# KiCad board Omega-D.kicad_pcb
title: Omega_D; note: Made by Sappling
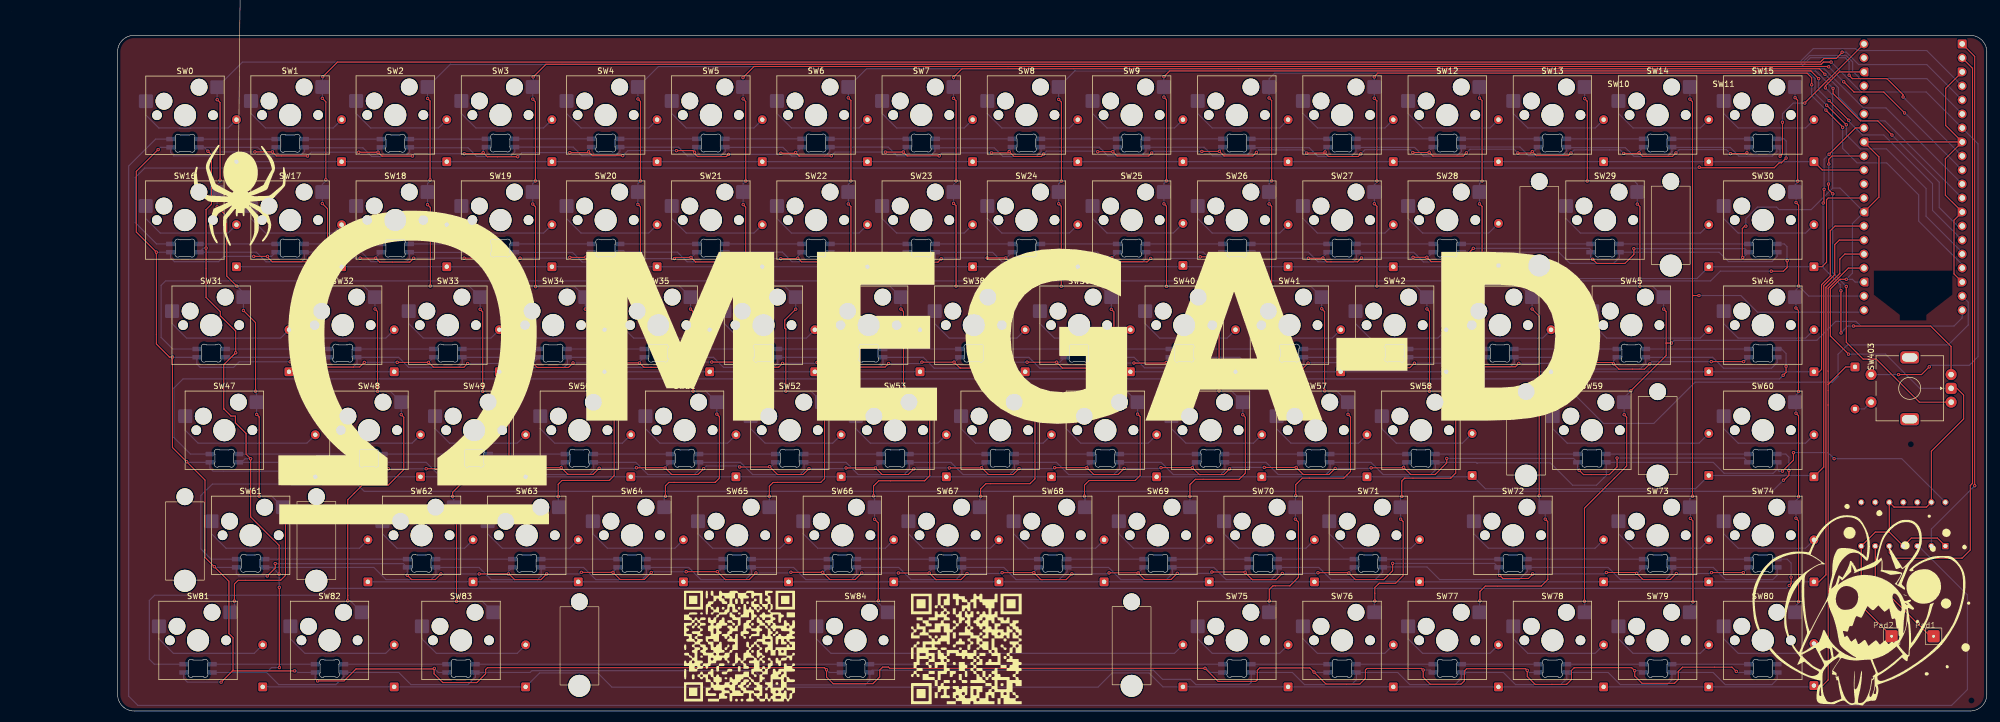
[diagram p0: board, top side]
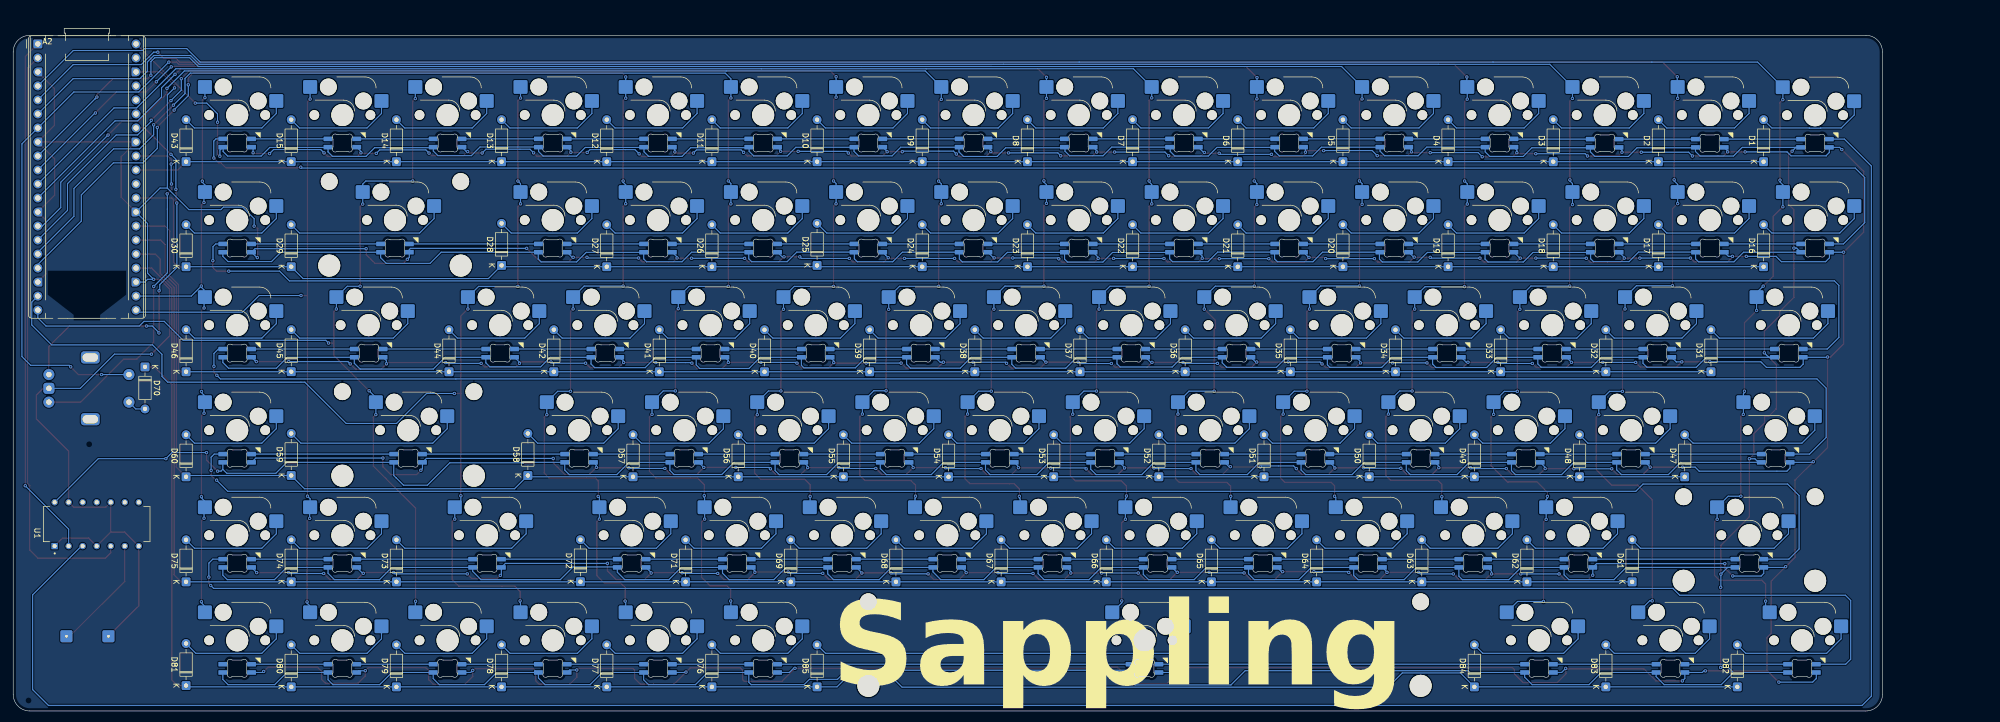
[diagram p1: board, bottom side, seen from below]

Outline 358.18 x 126.91 mm; copper layers: Top, Bottom. Coordinates in mm from the lower left corner of the outline.
Outline path: circle c0.01,126.9 r0.01 ; circle c344.03,48.36 r0.01 ; circle c355.01,1.9 r0.01 ; circle c358.17,122.5 r0.01 ; 19.29,119.5 19.29,3 arc(20.17,0.88) 22.29,0 354.79,0 arc(356.91,0.88) 357.79,3 357.79,119.5 arc(356.91,121.62) 354.79,122.5 22.29,122.5 arc(20.17,121.62) 19.29,119.5
Stack: Top 0.035mm / dielectric 1.51mm FR4 er 4.5 / Bottom 0.035mm

## Placement (name value [footprint] x y rotation side)
A2  RaspberryPi_Pico  [RaspberryPi_Pico_Common_THT]  353.33 120.95 180 bottom
D1  1N4148  [D_DO-35_SOD27_P7.62mm_Horizontal]  40.81 99.59 90 bottom
D2  1N4148  [D_DO-35_SOD27_P7.62mm_Horizontal]  59.86 99.59 90 bottom
D3  1N4148  [D_DO-35_SOD27_P7.62mm_Horizontal]  78.9 99.59 90 bottom
D4  1N4148  [D_DO-35_SOD27_P7.62mm_Horizontal]  97.95 99.59 90 bottom
D5  1N4148  [D_DO-35_SOD27_P7.62mm_Horizontal]  116.99 99.59 90 bottom
D6  1N4148  [D_DO-35_SOD27_P7.62mm_Horizontal]  136.04 99.59 90 bottom
D7  1N4148  [D_DO-35_SOD27_P7.62mm_Horizontal]  155.08 99.59 90 bottom
D8  1N4148  [D_DO-35_SOD27_P7.62mm_Horizontal]  174.13 99.59 90 bottom
D9  1N4148  [D_DO-35_SOD27_P7.62mm_Horizontal]  193.17 99.59 90 bottom
D10  1N4148  [D_DO-35_SOD27_P7.62mm_Horizontal]  212.22 99.59 90 bottom
D11  1N4148  [D_DO-35_SOD27_P7.62mm_Horizontal]  231.26 99.59 90 bottom
D12  1N4148  [D_DO-35_SOD27_P7.62mm_Horizontal]  250.31 99.59 90 bottom
D13  1N4148  [D_DO-35_SOD27_P7.62mm_Horizontal]  269.35 99.59 90 bottom
D14  1N4148  [D_DO-35_SOD27_P7.62mm_Horizontal]  288.4 99.59 90 bottom
D15  1N4148  [D_DO-35_SOD27_P7.62mm_Horizontal]  307.44 99.59 90 bottom
D16  1N4148  [D_DO-35_SOD27_P7.62mm_Horizontal]  40.81 80.55 90 bottom
D17  1N4148  [D_DO-35_SOD27_P7.62mm_Horizontal]  59.86 80.55 90 bottom
D18  1N4148  [D_DO-35_SOD27_P7.62mm_Horizontal]  78.9 80.55 90 bottom
D19  1N4148  [D_DO-35_SOD27_P7.62mm_Horizontal]  97.95 80.55 90 bottom
D20  1N4148  [D_DO-35_SOD27_P7.62mm_Horizontal]  116.99 80.55 90 bottom
D21  1N4148  [D_DO-35_SOD27_P7.62mm_Horizontal]  136.04 80.55 90 bottom
D22  1N4148  [D_DO-35_SOD27_P7.62mm_Horizontal]  155.08 80.55 90 bottom
D23  1N4148  [D_DO-35_SOD27_P7.62mm_Horizontal]  174.13 80.55 90 bottom
D24  1N4148  [D_DO-35_SOD27_P7.62mm_Horizontal]  193.17 80.55 90 bottom
D25  1N4148  [D_DO-35_SOD27_P7.62mm_Horizontal]  212.22 80.79 90 bottom
D26  1N4148  [D_DO-35_SOD27_P7.62mm_Horizontal]  231.26 80.55 90 bottom
D27  1N4148  [D_DO-35_SOD27_P7.62mm_Horizontal]  250.31 80.55 90 bottom
D28  1N4148  [D_DO-35_SOD27_P7.62mm_Horizontal]  269.35 80.79 90 bottom
D29  1N4148  [D_DO-35_SOD27_P7.62mm_Horizontal]  307.44 80.55 90 bottom
D30  1N4148  [D_DO-35_SOD27_P7.62mm_Horizontal]  326.49 80.55 90 bottom
D31  1N4148  [D_DO-35_SOD27_P7.62mm_Horizontal]  50.34 61.5 90 bottom
D32  1N4148  [D_DO-35_SOD27_P7.62mm_Horizontal]  69.38 61.5 90 bottom
D33  1N4148  [D_DO-35_SOD27_P7.62mm_Horizontal]  88.43 61.5 90 bottom
D34  1N4148  [D_DO-35_SOD27_P7.62mm_Horizontal]  107.47 61.5 90 bottom
D35  1N4148  [D_DO-35_SOD27_P7.62mm_Horizontal]  126.52 61.5 90 bottom
D36  1N4148  [D_DO-35_SOD27_P7.62mm_Horizontal]  145.56 61.5 90 bottom
D37  1N4148  [D_DO-35_SOD27_P7.62mm_Horizontal]  164.61 61.5 90 bottom
D38  1N4148  [D_DO-35_SOD27_P7.62mm_Horizontal]  183.65 61.5 90 bottom
D39  1N4148  [D_DO-35_SOD27_P7.62mm_Horizontal]  202.7 61.5 90 bottom
D40  1N4148  [D_DO-35_SOD27_P7.62mm_Horizontal]  221.74 61.5 90 bottom
D41  1N4148  [D_DO-35_SOD27_P7.62mm_Horizontal]  240.78 61.5 90 bottom
D42  1N4148  [D_DO-35_SOD27_P7.62mm_Horizontal]  259.89 61.5 90 bottom
D43  1N4148  [D_DO-35_SOD27_P7.62mm_Horizontal]  326.49 99.59 90 bottom
D44  1N4148  [D_DO-35_SOD27_P7.62mm_Horizontal]  278.87 61.5 90 bottom
D45  1N4148  [D_DO-35_SOD27_P7.62mm_Horizontal]  307.44 61.52 90 bottom
D46  1N4148  [D_DO-35_SOD27_P7.62mm_Horizontal]  326.49 61.5 90 bottom
D47  1N4148  [D_DO-35_SOD27_P7.62mm_Horizontal]  55.1 42.46 90 bottom
D48  1N4148  [D_DO-35_SOD27_P7.62mm_Horizontal]  74.14 42.46 90 bottom
D49  1N4148  [D_DO-35_SOD27_P7.62mm_Horizontal]  93.19 42.46 90 bottom
D50  1N4148  [D_DO-35_SOD27_P7.62mm_Horizontal]  112.23 42.46 90 bottom
D51  1N4148  [D_DO-35_SOD27_P7.62mm_Horizontal]  131.28 42.46 90 bottom
D52  1N4148  [D_DO-35_SOD27_P7.62mm_Horizontal]  150.32 42.46 90 bottom
D53  1N4148  [D_DO-35_SOD27_P7.62mm_Horizontal]  169.37 42.46 90 bottom
D54  1N4148  [D_DO-35_SOD27_P7.62mm_Horizontal]  188.41 42.46 90 bottom
D55  1N4148  [D_DO-35_SOD27_P7.62mm_Horizontal]  207.46 42.46 90 bottom
D56  1N4148  [D_DO-35_SOD27_P7.62mm_Horizontal]  226.5 42.46 90 bottom
D57  1N4148  [D_DO-35_SOD27_P7.62mm_Horizontal]  245.55 42.46 90 bottom
D58  1N4148  [D_DO-35_SOD27_P7.62mm_Horizontal]  264.59 42.7 90 bottom
D59  1N4148  [D_DO-35_SOD27_P7.62mm_Horizontal]  307.44 42.7 90 bottom
D60  1N4148  [D_DO-35_SOD27_P7.62mm_Horizontal]  326.49 42.46 90 bottom
D61  1N4148  [D_DO-35_SOD27_P7.62mm_Horizontal]  64.62 23.41 90 bottom
D62  1N4148  [D_DO-35_SOD27_P7.62mm_Horizontal]  83.67 23.41 90 bottom
D63  1N4148  [D_DO-35_SOD27_P7.62mm_Horizontal]  102.71 23.41 90 bottom
D64  1N4148  [D_DO-35_SOD27_P7.62mm_Horizontal]  121.75 23.41 90 bottom
D65  1N4148  [D_DO-35_SOD27_P7.62mm_Horizontal]  140.8 23.41 90 bottom
D66  1N4148  [D_DO-35_SOD27_P7.62mm_Horizontal]  159.84 23.41 90 bottom
D67  1N4148  [D_DO-35_SOD27_P7.62mm_Horizontal]  178.89 23.41 90 bottom
D68  1N4148  [D_DO-35_SOD27_P7.62mm_Horizontal]  197.93 23.41 90 bottom
D69  1N4148  [D_DO-35_SOD27_P7.62mm_Horizontal]  216.98 23.41 90 bottom
D70  1N4148  [D_DO-35_SOD27_P7.62mm_Horizontal]  333.92 62.38 270 bottom
D71  1N4148  [D_DO-35_SOD27_P7.62mm_Horizontal]  236.02 23.41 90 bottom
D72  1N4148  [D_DO-35_SOD27_P7.62mm_Horizontal]  255.07 23.44 90 bottom
D73  1N4148  [D_DO-35_SOD27_P7.62mm_Horizontal]  288.4 23.41 90 bottom
D74  1N4148  [D_DO-35_SOD27_P7.62mm_Horizontal]  307.44 23.41 90 bottom
D75  1N4148  [D_DO-35_SOD27_P7.62mm_Horizontal]  326.49 23.41 90 bottom
D76  1N4148  [D_DO-35_SOD27_P7.62mm_Horizontal]  231.26 4.37 90 bottom
D77  1N4148  [D_DO-35_SOD27_P7.62mm_Horizontal]  250.31 4.37 90 bottom
D78  1N4148  [D_DO-35_SOD27_P7.62mm_Horizontal]  269.35 4.37 90 bottom
D79  1N4148  [D_DO-35_SOD27_P7.62mm_Horizontal]  288.4 4.37 90 bottom
D80  1N4148  [D_DO-35_SOD27_P7.62mm_Horizontal]  307.44 4.37 90 bottom
D81  1N4148  [D_DO-35_SOD27_P7.62mm_Horizontal]  326.49 4.61 90 bottom
D82  1N4148  [D_DO-35_SOD27_P7.62mm_Horizontal]  45.58 4.37 90 bottom
D83  1N4148  [D_DO-35_SOD27_P7.62mm_Horizontal]  69.38 4.37 90 bottom
D84  1N4148  [D_DO-35_SOD27_P7.62mm_Horizontal]  93.19 4.37 90 bottom
D85  1N4148  [D_DO-35_SOD27_P7.62mm_Horizontal]  212.22 4.37 90 bottom
G***  LOGO  [sappling-chores 20x20]  173 11.25 0 top
G***#2  LOGO  [Spider-SilkScreen 50x64]  40.65 100.25 0 top
G***#3  LOGO  [Omega_D_100x100]  71.6 59.75 0 top
G***#4  LOGO  [kurama_silkscreen]  337.05 19.35 0 top
G***#5  LOGO  [sappling-chores-project-omega-d-20x20]  131.92 11.76 0 top
LED1  SK6812MINI-E  [MX_SK6812MINI-E_REV]  31.5 108.02 0 top
LED2  SK6812MINI-E  [MX_SK6812MINI-E_REV]  50.55 108.02 0 top
LED3  SK6812MINI-E  [MX_SK6812MINI-E_REV]  69.59 108.02 0 top
LED4  SK6812MINI-E  [MX_SK6812MINI-E_REV]  88.63 108.06 0 top
LED5  SK6812MINI-E  [MX_SK6812MINI-E_REV]  107.68 108.06 0 top
LED6  SK6812MINI-E  [MX_SK6812MINI-E_REV]  126.73 108.06 0 top
LED7  SK6812MINI-E  [MX_SK6812MINI-E_REV]  145.78 108.06 0 top
LED8  SK6812MINI-E  [MX_SK6812MINI-E_REV]  164.83 108.06 0 top
LED9  SK6812MINI-E  [MX_SK6812MINI-E_REV]  183.88 108.06 0 top
LED10  SK6812MINI-E  [MX_SK6812MINI-E_REV]  202.93 108.06 0 top
LED11  SK6812MINI-E  [MX_SK6812MINI-E_REV]  221.98 108.06 0 top
LED12  SK6812MINI-E  [MX_SK6812MINI-E_REV]  241.03 108.06 0 top
LED13  SK6812MINI-E  [MX_SK6812MINI-E_REV]  260.08 108.06 0 top
LED14  SK6812MINI-E  [MX_SK6812MINI-E_REV]  279.13 108.06 0 top
LED15  SK6812MINI-E  [MX_SK6812MINI-E_REV]  298.18 108.06 0 top
LED16  SK6812MINI-E  [MX_SK6812MINI-E_REV]  317.23 108.06 0 top
LED17  SK6812MINI-E  [MX_SK6812MINI-E_REV]  31.48 89.01 0 top
LED18  SK6812MINI-E  [MX_SK6812MINI-E_REV]  50.53 89.01 0 top
LED19  SK6812MINI-E  [MX_SK6812MINI-E_REV]  69.58 89.01 0 top
LED20  SK6812MINI-E  [MX_SK6812MINI-E_REV]  88.63 89.01 0 top
LED21  SK6812MINI-E  [MX_SK6812MINI-E_REV]  107.68 89.01 0 top
LED22  SK6812MINI-E  [MX_SK6812MINI-E_REV]  126.73 89.01 0 top
LED23  SK6812MINI-E  [MX_SK6812MINI-E_REV]  145.78 89.01 0 top
LED24  SK6812MINI-E  [MX_SK6812MINI-E_REV]  164.83 89.01 0 top
LED25  SK6812MINI-E  [MX_SK6812MINI-E_REV]  183.88 89.01 0 top
LED26  SK6812MINI-E  [MX_SK6812MINI-E_REV]  202.93 89.01 0 top
LED27  SK6812MINI-E  [MX_SK6812MINI-E_REV]  221.98 89.01 0 top
LED28  SK6812MINI-E  [MX_SK6812MINI-E_REV]  241.03 89.01 0 top
LED29  SK6812MINI-E  [MX_SK6812MINI-E_REV]  260.08 89.01 0 top
LED30  SK6812MINI-E  [MX_SK6812MINI-E_REV]  288.65 89.01 0 top
LED31  SK6812MINI-E  [MX_SK6812MINI-E_REV]  317.23 89.01 0 top
LED32  SK6812MINI-E  [MX_SK6812MINI-E_REV]  36.24 69.96 0 top
LED33  SK6812MINI-E  [MX_SK6812MINI-E_REV]  60.05 69.96 0 top
LED34  SK6812MINI-E  [MX_SK6812MINI-E_REV]  79.1 69.96 0 top
LED35  SK6812MINI-E  [MX_SK6812MINI-E_REV]  98.15 69.96 0 top
LED36  SK6812MINI-E  [MX_SK6812MINI-E_REV]  117.2 69.96 0 top
LED37  SK6812MINI-E  [MX_SK6812MINI-E_REV]  136.25 69.96 0 top
LED38  SK6812MINI-E  [MX_SK6812MINI-E_REV]  155.3 69.96 0 top
LED39  SK6812MINI-E  [MX_SK6812MINI-E_REV]  174.35 69.96 0 top
LED40  SK6812MINI-E  [MX_SK6812MINI-E_REV]  193.4 69.96 0 top
LED41  SK6812MINI-E  [MX_SK6812MINI-E_REV]  212.45 69.96 0 top
LED42  SK6812MINI-E  [MX_SK6812MINI-E_REV]  231.5 69.96 0 top
LED43  SK6812MINI-E  [MX_SK6812MINI-E_REV]  250.55 69.96 0 top
LED44  SK6812MINI-E  [MX_SK6812MINI-E_REV]  269.6 69.96 0 top
LED45  SK6812MINI-E  [MX_SK6812MINI-E_REV]  293.42 69.96 0 top
LED46  SK6812MINI-E  [MX_SK6812MINI-E_REV]  317.23 69.96 0 top
LED47  SK6812MINI-E  [MX_SK6812MINI-E_REV]  38.62 50.91 0 top
LED48  SK6812MINI-E  [MX_SK6812MINI-E_REV]  64.82 50.91 0 top
LED49  SK6812MINI-E  [MX_SK6812MINI-E_REV]  83.87 50.91 0 top
LED50  SK6812MINI-E  [MX_SK6812MINI-E_REV]  102.92 50.91 0 top
LED51  SK6812MINI-E  [MX_SK6812MINI-E_REV]  121.97 50.91 0 top
LED52  SK6812MINI-E  [MX_SK6812MINI-E_REV]  141.02 50.91 0 top
LED53  SK6812MINI-E  [MX_SK6812MINI-E_REV]  160.07 50.91 0 top
LED54  SK6812MINI-E  [MX_SK6812MINI-E_REV]  179.12 50.91 0 top
LED55  SK6812MINI-E  [MX_SK6812MINI-E_REV]  198.17 50.91 0 top
LED56  SK6812MINI-E  [MX_SK6812MINI-E_REV]  217.22 50.91 0 top
LED57  SK6812MINI-E  [MX_SK6812MINI-E_REV]  236.27 50.91 0 top
LED58  SK6812MINI-E  [MX_SK6812MINI-E_REV]  255.32 50.91 0 top
LED59  SK6812MINI-E  [MX_SK6812MINI-E_REV]  286.27 50.91 0 top
LED60  SK6812MINI-E  [MX_SK6812MINI-E_REV]  317.23 50.91 0 top
LED61  SK6812MINI-E  [MX_SK6812MINI-E_REV]  43.39 31.86 0 top
LED62  SK6812MINI-E  [MX_SK6812MINI-E_REV]  74.34 31.86 0 top
LED63  SK6812MINI-E  [MX_SK6812MINI-E_REV]  93.39 31.86 0 top
LED64  SK6812MINI-E  [MX_SK6812MINI-E_REV]  112.44 31.86 0 top
LED65  SK6812MINI-E  [MX_SK6812MINI-E_REV]  131.49 31.86 0 top
LED66  SK6812MINI-E  [MX_SK6812MINI-E_REV]  150.54 31.86 0 top
LED67  SK6812MINI-E  [MX_SK6812MINI-E_REV]  169.59 31.86 0 top
LED68  SK6812MINI-E  [MX_SK6812MINI-E_REV]  188.64 31.86 0 top
LED69  SK6812MINI-E  [MX_SK6812MINI-E_REV]  207.69 31.86 0 top
LED70  SK6812MINI-E  [MX_SK6812MINI-E_REV]  226.74 31.86 0 top
LED71  SK6812MINI-E  [MX_SK6812MINI-E_REV]  245.79 31.86 0 top
LED72  SK6812MINI-E  [MX_SK6812MINI-E_REV]  271.99 31.86 0 top
LED73  SK6812MINI-E  [MX_SK6812MINI-E_REV]  298.18 31.86 0 top
LED74  SK6812MINI-E  [MX_SK6812MINI-E_REV]  317.23 31.86 0 top
LED75  SK6812MINI-E  [MX_SK6812MINI-E_REV]  33.86 12.81 0 top
LED76  SK6812MINI-E  [MX_SK6812MINI-E_REV]  57.67 12.81 0 top
LED77  SK6812MINI-E  [MX_SK6812MINI-E_REV]  81.49 12.81 0 top
LED78  SK6812MINI-E  [MX_SK6812MINI-E_REV]  152.92 12.81 0 top
LED79  SK6812MINI-E  [MX_SK6812MINI-E_REV]  221.98 12.81 0 top
LED80  SK6812MINI-E  [MX_SK6812MINI-E_REV]  241.03 12.81 0 top
LED81  SK6812MINI-E  [MX_SK6812MINI-E_REV]  260.08 12.81 0 top
LED82  SK6812MINI-E  [MX_SK6812MINI-E_REV]  279.13 12.81 0 top
LED83  SK6812MINI-E  [MX_SK6812MINI-E_REV]  298.18 12.81 0 top
LED84  SK6812MINI-E  [MX_SK6812MINI-E_REV]  317.23 12.81 0 top
Pad1  ~  [1-Pin-smd-through-hole]  346.65 15.05 0 top
Pad2  ~  [1-Pin-smd-through-hole]  339.05 15.05 0 top
S1  MX_stab  [STAB_MX_6.25u]  152.92 12.81 0 top
S2  MX_stab  [STAB_MX_2u]  288.65 89.01 0 top
S3  MX_stab  [STAB_MX_2.25u]  286.27 50.91 0 top
S4  MX_stab  [STAB_MX_2.25u]  43.39 31.86 0 top
SW0  SW_Push_45deg1  [Hotswap_MX_1.00u]  31.5 108.02 0 top
SW1  SW_Push_45deg2  [Hotswap_MX_1.00u]  50.53 108.06 0 top
SW2  SW_Push_45deg3  [Hotswap_MX_1.00u]  69.58 108.06 0 top
SW3  SW_Push_45deg  [Hotswap_MX_1.00u]  88.63 108.06 0 top
SW4  SW_Push_45deg  [Hotswap_MX_1.00u]  107.68 108.06 0 top
SW5  SW_Push_45deg  [Hotswap_MX_1.00u]  126.73 108.06 0 top
SW6  SW_Push_45deg  [Hotswap_MX_1.00u]  145.78 108.06 0 top
SW7  SW_Push_45deg  [Hotswap_MX_1.00u]  164.83 108.06 0 top
SW8  SW_Push_45deg  [Hotswap_MX_1.00u]  183.88 108.06 0 top
SW9  SW_Push_45deg  [Hotswap_MX_1.00u]  202.93 108.06 0 top
SW10  SW_Push_45deg10  [Hotswap_MX_1.00u]  221.98 108.06 0 top
SW11  SW_Push_45deg11  [Hotswap_MX_1.00u]  241.03 108.06 0 top
SW12  SW_Push_45deg12  [Hotswap_MX_1.00u]  260.08 108.06 0 top
SW13  SW_Push_45deg  [Hotswap_MX_1.00u]  279.13 108.06 0 top
SW14  SW_Push_45deg  [Hotswap_MX_1.00u]  298.18 108.06 0 top
SW15  SW_Push_45deg  [Hotswap_MX_1.00u]  317.23 108.06 0 top
SW16  SW_Push_45deg  [Hotswap_MX_1.00u]  31.48 89.01 0 top
SW17  SW_Push_45deg  [Hotswap_MX_1.00u]  50.53 89.01 0 top
SW18  SW_Push_45deg  [Hotswap_MX_1.00u]  69.58 89.01 0 top
SW19  SW_Push_45deg  [Hotswap_MX_1.00u]  88.63 89.01 0 top
SW20  SW_Push_45deg  [Hotswap_MX_1.00u]  107.68 89.01 0 top
SW21  SW_Push_45deg  [Hotswap_MX_1.00u]  126.73 89.01 0 top
SW22  SW_Push_45deg22  [Hotswap_MX_1.00u]  145.78 89.01 0 top
SW23  SW_Push_45deg  [Hotswap_MX_1.00u]  164.83 89.01 0 top
SW24  SW_Push_45deg  [Hotswap_MX_1.00u]  183.88 89.01 0 top
SW25  SW_Push_45deg  [Hotswap_MX_1.00u]  202.93 89.01 0 top
SW26  SW_Push_45deg  [Hotswap_MX_1.00u]  221.98 89.01 0 top
SW27  SW_Push_45deg  [Hotswap_MX_1.00u]  241.03 89.01 0 top
SW28  SW_Push_45deg  [Hotswap_MX_1.00u]  260.08 89.01 0 top
SW29  SW_Push_45deg29  [Hotswap_MX_2.00u]  288.65 89.01 0 top
SW30  SW_Push_45deg30  [Hotswap_MX_1.00u]  317.23 89.01 0 top
SW31  SW_Push_45deg  [Hotswap_MX_1.50u]  36.24 69.96 0 top
SW32  SW_Push_45deg  [Hotswap_MX_1.00u]  60.05 69.96 0 top
SW33  SW_Push_45deg33  [Hotswap_MX_1.00u]  79.1 69.96 0 top
SW34  SW_Push_45deg  [Hotswap_MX_1.00u]  98.15 69.96 0 top
SW35  SW_Push_45deg  [Hotswap_MX_1.00u]  117.2 69.96 0 top
SW36  SW_Push_45deg  [Hotswap_MX_1.00u]  136.25 69.96 0 top
SW37  SW_Push_45deg  [Hotswap_MX_1.00u]  155.3 69.96 0 top
SW38  SW_Push_45deg  [Hotswap_MX_1.00u]  174.35 69.96 0 top
SW39  SW_Push_45deg  [Hotswap_MX_1.00u]  193.4 69.96 0 top
SW40  SW_Push_45deg  [Hotswap_MX_1.00u]  212.45 69.96 0 top
SW41  SW_Push_45deg  [Hotswap_MX_1.00u]  231.5 69.96 0 top
SW42  SW_Push_45deg  [Hotswap_MX_1.00u]  250.55 69.96 0 top
SW44  SW_Push_45deg  [Hotswap_MX_1.00u]  269.6 69.96 0 top
SW45  SW_Push_45deg45  [Hotswap_MX_1.50u]  293.42 69.96 0 top
SW46  SW_Push_45deg46  [Hotswap_MX_1.00u]  317.23 69.96 0 top
SW47  SW_Push_45deg47  [Hotswap_MX_1.75u]  38.62 50.91 0 top
SW48  SW_Push_45deg  [Hotswap_MX_1.00u]  64.82 50.91 0 top
SW49  SW_Push_45deg  [Hotswap_MX_1.00u]  83.87 50.91 0 top
SW50  SW_Push_45deg  [Hotswap_MX_1.00u]  102.92 50.91 0 top
SW51  SW_Push_45deg  [Hotswap_MX_1.00u]  121.97 50.91 0 top
SW52  SW_Push_45deg  [Hotswap_MX_1.00u]  141.02 50.91 0 top
SW53  SW_Push_45deg  [Hotswap_MX_1.00u]  160.07 50.91 0 top
SW54  SW_Push_45deg  [Hotswap_MX_1.00u]  179.12 50.91 0 top
SW55  SW_Push_45deg  [Hotswap_MX_1.00u]  198.17 50.91 0 top
SW56  SW_Push_45deg  [Hotswap_MX_1.00u]  217.22 50.91 0 top
SW57  SW_Push_45deg57  [Hotswap_MX_1.00u]  236.27 50.91 0 top
SW58  SW_Push_45deg58  [Hotswap_MX_1.00u]  255.32 50.91 0 top
SW59  SW_Push_45deg59  [Hotswap_MX_2.25u]  286.27 50.91 0 top
SW60  SW_Push_45deg60  [Hotswap_MX_1.00u]  317.23 50.91 0 top
SW61  SW_Push_45deg61  [Hotswap_MX_2.25u]  43.39 31.86 0 top
SW62  SW_Push_45deg  [Hotswap_MX_1.00u]  74.34 31.86 0 top
SW63  SW_Push_45deg  [Hotswap_MX_1.00u]  93.39 31.86 0 top
SW64  SW_Push_45deg  [Hotswap_MX_1.00u]  112.44 31.86 0 top
SW65  SW_Push_45deg  [Hotswap_MX_1.00u]  131.49 31.86 0 top
SW66  SW_Push_45deg66  [Hotswap_MX_1.00u]  150.54 31.86 0 top
SW67  SW_Push_45deg67  [Hotswap_MX_1.00u]  169.59 31.86 0 top
SW68  SW_Push_45deg68  [Hotswap_MX_1.00u]  188.64 31.86 0 top
SW69  SW_Push_45deg  [Hotswap_MX_1.00u]  207.69 31.86 0 top
SW70  SW_Push_45deg  [Hotswap_MX_1.00u]  226.74 31.86 0 top
SW71  SW_Push_45deg  [Hotswap_MX_1.00u]  245.79 31.86 0 top
SW72  SW_Push_45deg72  [Hotswap_MX_1.75u]  271.99 31.86 0 top
SW73  SW_Push_45deg73  [Hotswap_MX_1.00u]  298.18 31.86 0 top
SW74  SW_Push_45deg  [Hotswap_MX_1.00u]  317.23 31.86 0 top
SW75  SW_Push_45deg75  [Hotswap_MX_1.00u]  221.98 12.81 0 top
SW76  SW_Push_45deg76  [Hotswap_MX_1.00u]  241.03 12.81 0 top
SW77  SW_Push_45deg77  [Hotswap_MX_1.00u]  260.08 12.81 0 top
SW78  SW_Push_45deg78  [Hotswap_MX_1.00u]  279.13 12.81 0 top
SW79  SW_Push_45deg79  [Hotswap_MX_1.00u]  298.18 12.81 0 top
SW80  SW_Push_45deg80  [Hotswap_MX_1.00u]  317.23 12.81 0 top
SW81  SW_Push_45deg  [Hotswap_MX_1.25u]  33.86 12.81 0 top
SW82  SW_Push_45deg82  [Hotswap_MX_1.25u]  57.67 12.81 0 top
SW83  SW_Push_45deg83  [Hotswap_MX_1.25u]  81.49 12.81 0 top
SW84  SW_Push_45deg  [Hotswap_MX_6.25u]  152.92 12.81 0 top
SW403  RotaryEncoder_Switch  [ROT_Alps_EC11E-Switch]  343.83 58.5 90 top
U1  SN74AHCT125N  [DIP794W45P254L1930H508Q14]  342.67 33.87 90 bottom

## Library data of the parts
A2 = -: Datasheet: https://datasheets.raspberrypi.com/pico/pico-datasheet.pdf; Description: Versatile and inexpensive microcontroller module powered by RP2040 dual-core Arm Cortex-M0+ processor up to 133 MHz, 264kB SRAM, 2MB QSPI flash; also supports Raspberry Pi Pico 2; ki_fp_filters: RaspberryPi?Pico?Common* RaspberryPi?Pico?SMD*
D1-D85 = -: Datasheet: https://assets.nexperia.com/documents/data-sheet/1N4148_1N4448.pdf; Description: 100V 0.15A standard switching diode, DO-35; Sim.Device: D; Sim.Pins: 1=K 2=A; ki_fp_filters: D*DO?35*
LED1-LED84 = -: Description: Reverse mount adressable LED (WS2812 protocol)
S1-S4 = -: Description: Cherry MX-style stabilizer
SW0-SW42 SW44-SW84 = -: Description: Push button switch, normally open, two pins, 45° tilted
SW403 = -: Description: Rotary encoder, dual channel, incremental quadrate outputs, with switch; ki_fp_filters: RotaryEncoder*Switch*
U1 = -: MF: Texas Instruments; MAXIMUM_PACKAGE_HEIGHT: 5.08mm; Package: PDIP-14 Texas Instruments; Price: None; Check_prices: https://www.snapeda.com/parts/SN74AHCT125N/Texas+Instruments/view-part/?ref=eda; STANDARD: Manufacturer Recommendations; PARTREV: Q; SnapEDA_Link: https://www.snapeda.com/parts/SN74AHCT125N/Texas+Instruments/view-part/?ref=snap; Description_1: 4-ch, 4.5-V to 5.5-V buffers with TTL-compatible CMOS inputs and 3-state outputs; Availability: In Stock; MANUFACTURER: Texas Instruments

## Footprints (pads in the part's own frame, mm; a bottom-side part is the same pattern mirrored in y, then rotated)
1-Pin-smd-through-hole
  rrect 2.2x2.2 hole 0.5: 1(1.5,-1.5)
D_DO-35_SOD27_P7.62mm_Horizontal
  rrect 1.6x1.6 hole 0.8: 1(0,0)
  round 1.6 hole 0.8: 2(7.62,0)
DIP794W45P254L1930H508Q14
  rect 1.14x1.14 hole 0.74: 1(-3.97,7.62)
  round 1.14 hole 0.74: 2(-3.97,5.08) 3(-3.97,2.54) 4(-3.97,0) 5(-3.97,-2.54) 6(-3.97,-5.08) 7(-3.97,-7.62) 8(3.97,-7.62) 9(3.97,-5.08) 10(3.97,-2.54) 11(3.97,0) 12(3.97,2.54) 13(3.97,5.08) 14(3.97,7.62)
Hotswap_MX_1.00u
  round 1.75 hole 1.75 unplated: (-5.08,0) (5.08,0)
  round 3.05 hole 3.05 unplated: (-3.81,2.54) (2.54,5.08)
  round 4 hole 4 unplated: (0,0)
  rrect 2.55x2.5 smd far side: 1(-7.085,2.54) 2(5.842,5.08)
Hotswap_MX_1.25u
  round 1.75 hole 1.75 unplated: (-5.08,0) (5.08,0)
  round 3.05 hole 3.05 unplated: (-3.81,2.54) (2.54,5.08)
  round 4 hole 4 unplated: (0,0)
  rrect 2.55x2.5 smd far side: 1(-7.085,2.54) 2(5.842,5.08)
Hotswap_MX_1.50u
  round 1.75 hole 1.75 unplated: (-5.08,0) (5.08,0)
  round 3.05 hole 3.05 unplated: (-3.81,2.54) (2.54,5.08)
  round 4 hole 4 unplated: (0,0)
  rrect 2.55x2.5 smd far side: 1(-7.085,2.54) 2(5.842,5.08)
Hotswap_MX_1.75u
  round 1.75 hole 1.75 unplated: (-5.08,0) (5.08,0)
  round 3.05 hole 3.05 unplated: (-3.81,2.54) (2.54,5.08)
  round 4 hole 4 unplated: (0,0)
  rrect 2.55x2.5 smd far side: 1(-7.085,2.54) 2(5.842,5.08)
Hotswap_MX_2.00u
  round 1.75 hole 1.75 unplated: (-5.08,0) (5.08,0)
  round 3.05 hole 3.05 unplated: (-3.81,2.54) (2.54,5.08)
  round 4 hole 4 unplated: (0,0)
  rrect 2.55x2.5 smd far side: 1(-7.085,2.54) 2(5.842,5.08)
Hotswap_MX_2.25u
  round 1.75 hole 1.75 unplated: (-5.08,0) (5.08,0)
  round 3.05 hole 3.05 unplated: (-3.81,2.54) (2.54,5.08)
  round 4 hole 4 unplated: (0,0)
  rrect 2.55x2.5 smd far side: 1(-7.085,2.54) 2(5.842,5.08)
Hotswap_MX_6.25u
  round 1.75 hole 1.75 unplated: (-5.08,0) (5.08,0)
  round 3.05 hole 3.05 unplated: (-3.81,2.54) (2.54,5.08)
  round 4 hole 4 unplated: (0,0)
  rrect 2.55x2.5 smd far side: 1(-7.085,2.54) 2(5.842,5.08)
MX_SK6812MINI-E_REV
  rrect 1.6x0.82 smd far side: 1(2.6,-5.83) 2(2.6,-4.33) 3(-2.6,-4.33) 4(-2.6,-5.83)
RaspberryPi_Pico_Common_THT
  rrect 1.6x1.6 hole 1: 1(0,0)
  round 1.6 hole 1: 2(0,-2.54) 4(0,-7.62) 5(0,-10.16) 6(0,-12.7) 7(0,-15.24) 9(0,-20.32) 10(0,-22.86) 11(0,-25.4) 12(0,-27.94) 14(0,-33.02) 15(0,-35.56) 16(0,-38.1) 17(0,-40.64) 19(0,-45.72) 20(0,-48.26) 21(17.78,-48.26) 22(17.78,-45.72) 24(17.78,-40.64) 25(17.78,-38.1) 26(17.78,-35.56) 27(17.78,-33.02) 29(17.78,-27.94) 30(17.78,-25.4) 31(17.78,-22.86) 32(17.78,-20.32) 34(17.78,-15.24) 35(17.78,-12.7) 36(17.78,-10.16) 37(17.78,-7.62) 39(17.78,-2.54) 40(17.78,0)
  custom 1.6x1.6 hole 1: 3(0,-5.08) 8(0,-17.78) 13(0,-30.48) 18(0,-43.18) 23(17.78,-43.18) 28(17.78,-30.48) 33(17.78,-17.78) 38(17.78,-5.08)
ROT_Alps_EC11E-Switch
  round 2 hole 1: A(-2.5,-7.5) B(2.5,-7.5) S1(2.5,7) S2(-2.5,7)
  rrect 2x2 hole 1: C(0,-7.5)
  rrect 2.2x3.4 hole 1.5x2.8: MP(-5.6,0) MP(5.6,0)
STAB_MX_2.25u
  round 3.048 hole 3.048 unplated: (-11.906,6.985) (11.906,6.985)
  round 3.988 hole 3.988 unplated: (-11.906,-8.255) (11.906,-8.255)
STAB_MX_2u
  round 3.048 hole 3.048 unplated: (-11.906,6.985) (11.906,6.985)
  round 3.988 hole 3.988 unplated: (-11.906,-8.255) (11.906,-8.255)
STAB_MX_6.25u
  round 3.048 hole 3.048 unplated: (-50.006,6.985) (50.006,6.985)
  round 3.988 hole 3.988 unplated: (-50.006,-8.255) (50.006,-8.255)
